# Altium PCB PCB3.PcbDoc (part 6 of 8) (continued)
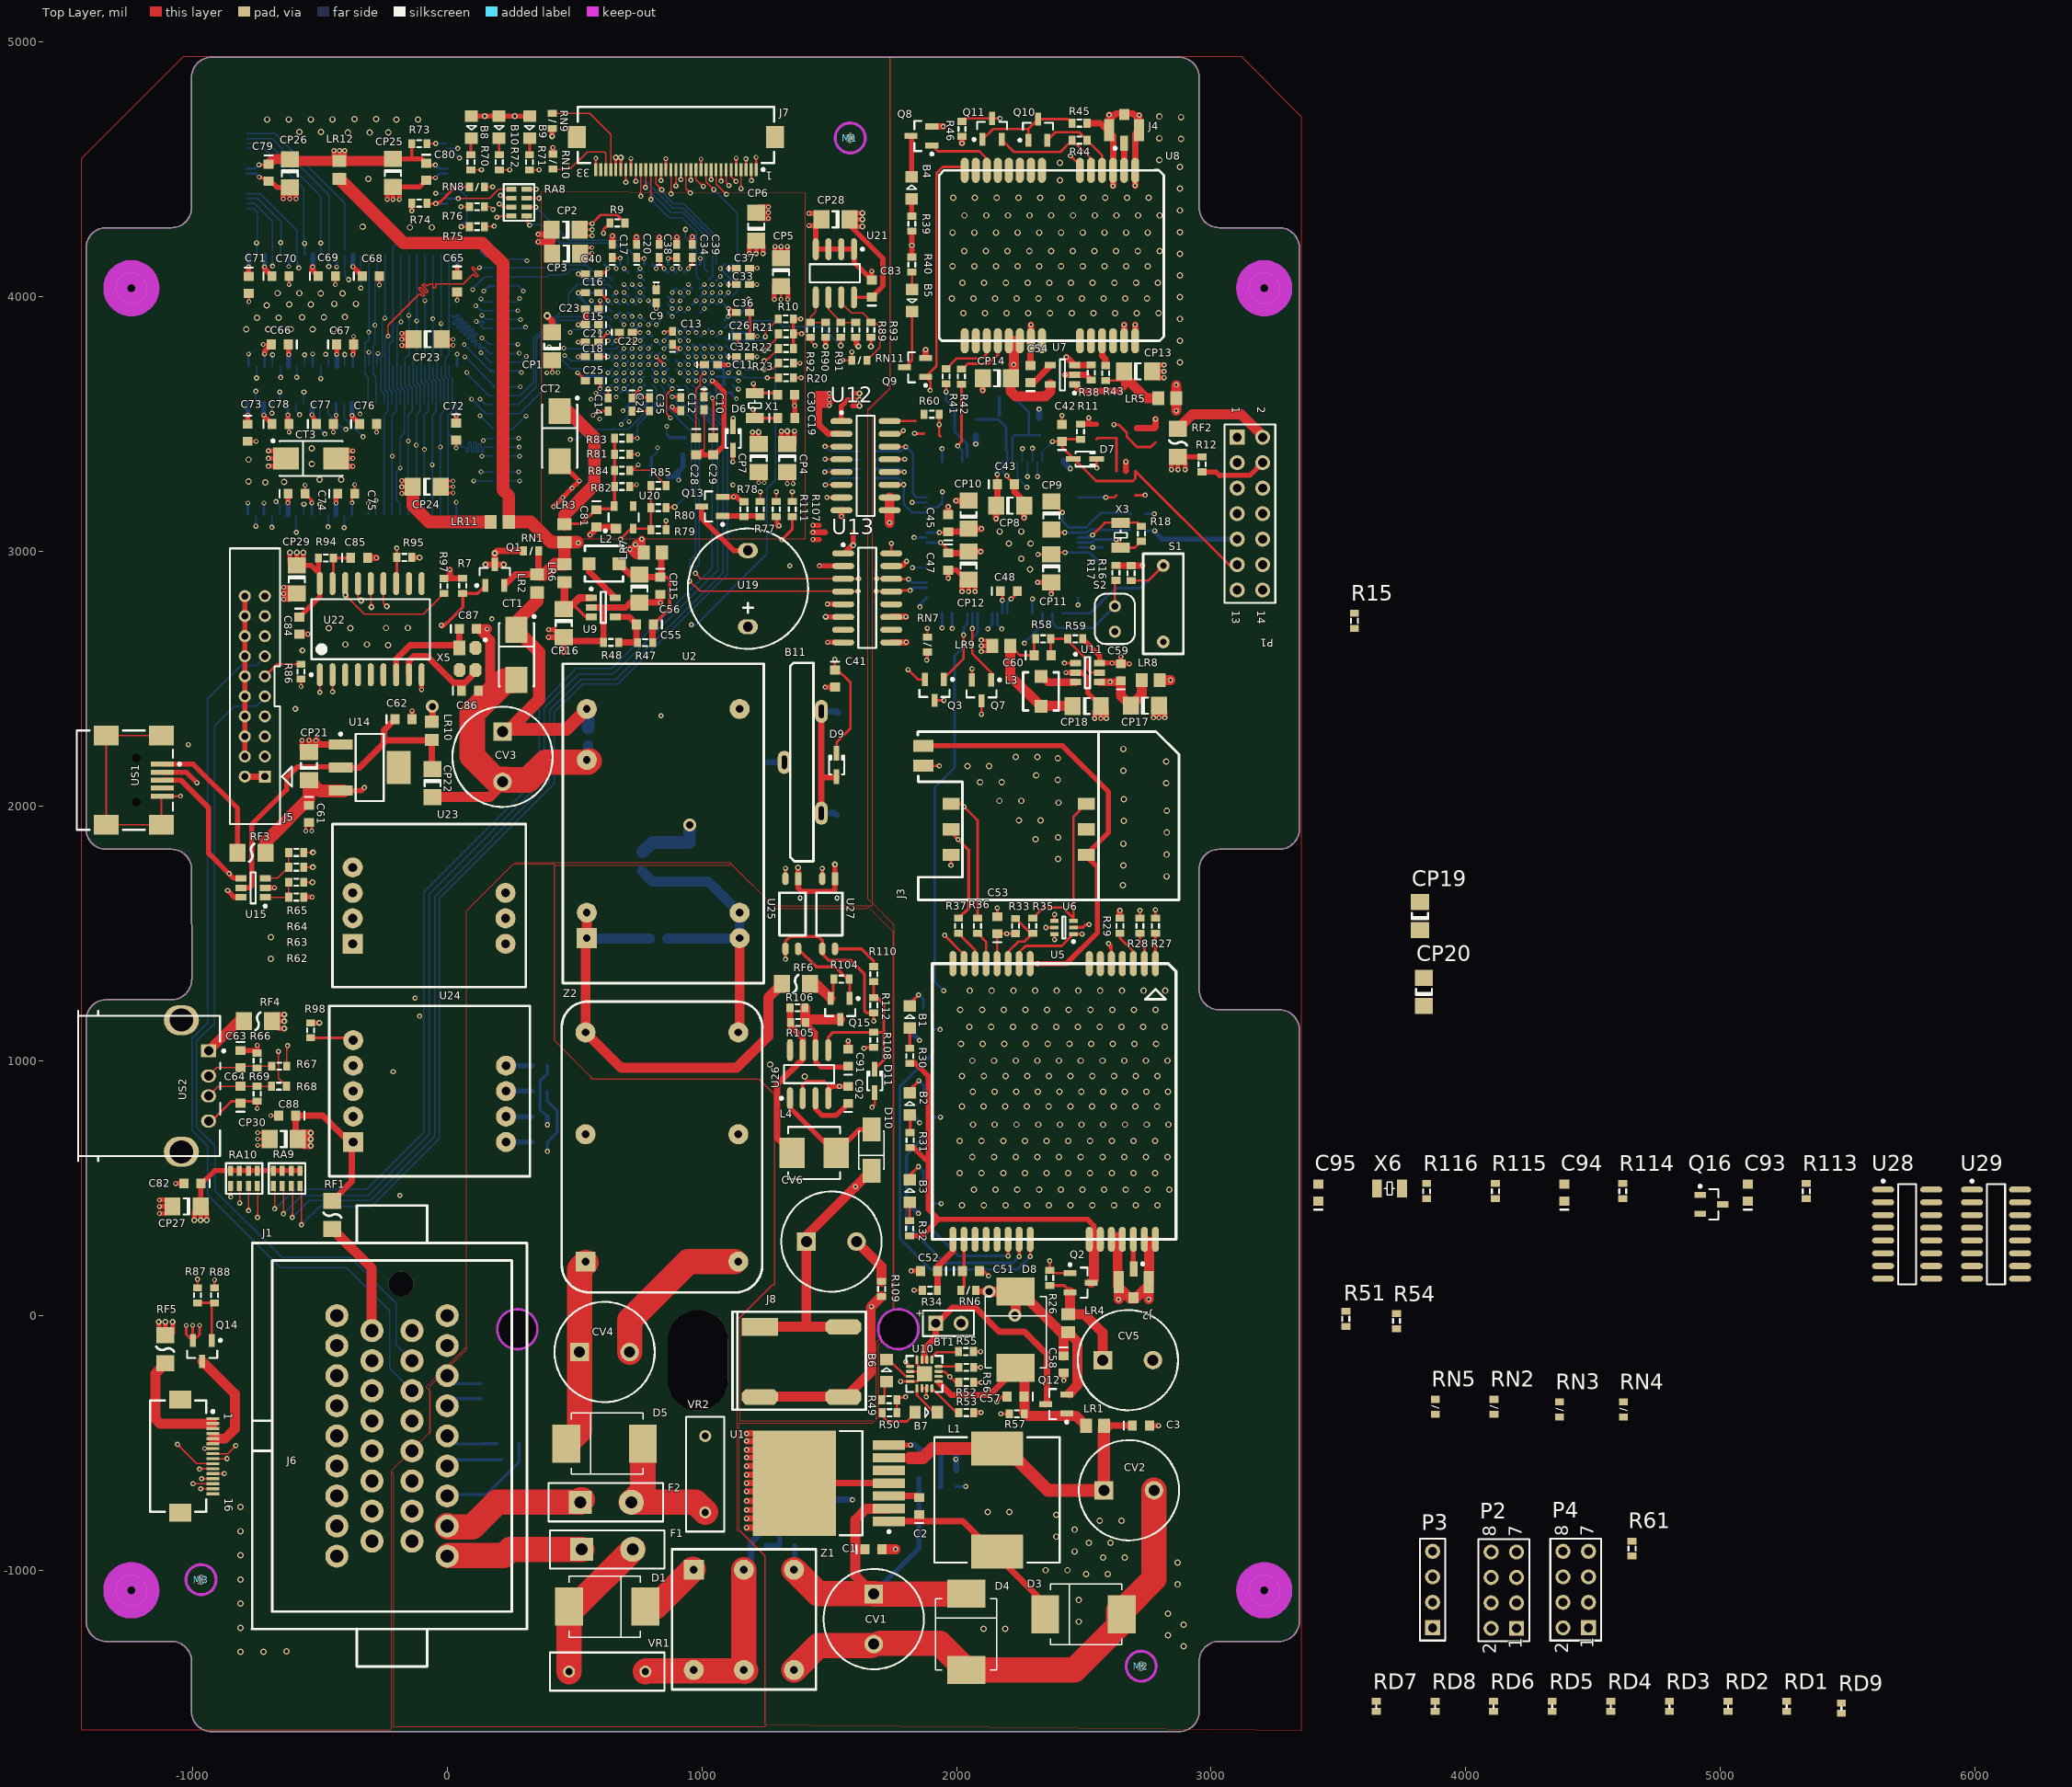
[diagram p0: Top Layer view]
## Nets (pads, with @x,y where several pads share a name; then routed paths per layer and width w, separated by ;. In a path a pad name is that pad's centre, name@x,y a point inside that pad or via, vN(x,y) a via of type N, cw(c..) or ccw(c..) an arc to the next point about the centre after c; other vN are vias at no path point) (continued)
NetC55_2: C55.2 R47.2 R48.2 U9.4 | length 235.7
  Top Layer w25: U9.4@660.41,2743.54 713.56,2743.54 C55.2@743.09,2714.02 743.09,2643.15 R48.2@673.2,2643.15
NetC59_1: C59.1 CP17.1 LR8.1 U11.1 U11.4 | length 627.3
  Top Layer w10: v2(2424.21,2562.01) U11.1@2467.52,2562.01 ; v2@2427.75,2558.47 cw(c2436.28,2549.94) 2436.28,2562.01 cw(c2436.28,2574.08) v2@2427.75,2565.54
  Top Layer w29.53: U11.4@2562.01,2487.2 2640.75,2487.2 C59.1@2645.67,2492.13
  Top Layer w39.37: C59.1@2645.67,2492.13 2645.67,2434.06 CP17.1@2685.04,2394.69 2727.36,2437.01 LR8.1@2727.36,2495.08
  ADDR w10: v2(2424.21,2562.01) 2529.53,2562.01 v2(2603.35,2488.19) ; v2@2427.75,2558.47 cw(c2436.28,2549.94) 2436.28,2562.01 cw(c2436.28,2574.08) v2@2427.75,2565.54 ; v2@2598.35,2488.19 ccw(c2586.28,2488.19) 2594.81,2496.72 ccw(c2603.35,2505.26) v2@2603.35,2493.19
NetC60_1: C60.1 CP18.1 L3.1 LR9.1 R58.1 | length 590.1
  Top Layer w10: LR9.1@2211.61,2629.92 2249.02,2592.52 C60.1@2305.12,2592.52 2305.12,2651.58 R58.1@2311.02,2657.48
  Top Layer w39.37: LR9.1@2211.61,2629.92 2211.61,2511.81 L3.1@2331.69,2391.73 2333.66,2393.7 CP18.1@2456.69,2393.7
NetC60_2: C60.2 R58.2 R59.1 U11.5 | length 337.5
  Top Layer w10: C60.2@2372.05,2592.52 2370.08,2594.49 R58.2@2370.08,2657.48 R59.1@2437.01,2657.48 2437.01,2650.59 2514.76,2572.83 2514.76,2537.4 2527.56,2524.61 U11.5@2562.01,2524.61
NetC85_1: C85.1 R94.1 U22.17 | length 164
  Top Layer w12: U22.17@-446.88,2877.8 R94.1@-446.88,2974.84 C85.1@-379.95,2974.84
NetC86_1: C86.1 U22.8 X5.3 | length 392.8
  Top Layer w25: U22.8@-150.22,2516.18 -150.22,2569.73 -131.36,2588.58 -78.33,2588.58 26.06,2484.19 70.35,2484.19 111.2,2525.04 X5.3@111.2,2534.88
NetC87_1: C87.1 U22.7 X5.1 | length 413
  Top Layer w25: U22.7@-200.22,2516.18 -200.22,2578.78 -146,2633 36.7,2633 X5.1@48.2,2621.5 C87.1@48.2,2696.3
NetC91_1: C91.1 Q15.3 R105.1 R106.1 U26.6 | length 495.3
  Top Layer w20: R105.1@1407.48,1150.59 1446.26,1111.81 U26.6@1446.26,1042.32 1446.26,997.64 1467.52,976.38 1566.93,976.38 C91.1@1576.77,986.22
  Top Layer w39.37: R106.1@1405.51,1208.66 1405.51,1152.56 R105.1@1407.48,1150.59 ; R105.1@1419.29,1162.4 Q15.3@1543.31,1162.4
NetC92_1: C92.1 U26.3 | length 200.7
  Top Layer w20: U26.3@1446.26,853.35 1446.26,811.61 1472.44,785.43 1527.56,785.43 C92.1@1574.8,832.68
NetC93_1: C93.1 Q16.2 R114.1
NetC94_1: C94.1 R115.2 X6.2
NetCP16_1: CP16.1 LR6.1 U9.1 U9.3 | length 321.2
  Top Layer w12: 494.07,2792.76 543.28,2743.54 U9.3@565.92,2743.54
  Top Layer w29.53: CP16.1@457.65,2774.06 475.37,2774.06 494.07,2792.76 519.66,2818.35 U9.1@565.92,2818.35 ; CP16.1@460.6,2777.01 LR6.1@460.6,2879.37
NetCV4_1: CV4.1 D5.2 Z2.1 | length 743.5
  Top Layer w100: D5.2@468.46,-503.15 519.69,-451.93 CV4.1@519.69,-141.73 ; CV4.1@520.04,-143.15 520.04,183.42 Z2.1@544.29,207.68
NetCV5_1: CV5.1 LR4.2 Q2.2 R26.1 | length 450.5
  Top Layer w12: R26.1@2366.14,118.11 2423.23,118.11 Q2.2@2444.88,96.46
  Top Layer w39.37: Q2.2@2445.86,91.54 2445.86,11.81 LR4.2@2438.98,4.92 2501.97,4.92 2574.8,-67.91 CV5.1@2574.8,-175.2
NetCV6_1: CV6.1 D10.2 J8.1 R108.2 | length 1654.7
  Top Layer w12: v2@1639.64,1046.38 cw(c1655.97,1030.05) 1655.97,1053.15 ; v2@1639.76,1048.23 1644.68,1053.15 R108.2@1675.2,1053.15
  Top Layer w39.37: J8.1@1227.91,-44.29 J8.1@1555.55,-44.29 ; 1410.43,-39.37 CV6.1@1410.43,290.35 1410.43,312.99 v2(1603.35,505.91) D10.2@1666.34,568.9
  ADDR w12: v2(1603.35,505.91) 1603.35,1015.75 v2(1636.81,1049.21)
NetD1_1: D1.1 F1.2 VR1.1 | length 612.6
  Top Layer w100: VR1.1@478.46,-1398.15 478.46,-1153.43 D1.1@502.95,-1128.94 ; D1.1@491.14,-1149.61 497.01,-1149.61 F1.2@728.46,-918.15
NetD1_2: D1.2 Z1.1 | length 248
  Top Layer w100: D1.2@778.46,-1143.15 818.46,-1143.15 Z1.1@965.55,-996.06
NetD5_1: D5.1 F2.2 VR2.1 | length 551.3
  Top Layer w100: D5.1@768.7,-506.89 768.7,-687.91 F2.2@723.46,-733.15 975.28,-733.15 VR2.1@1013.78,-771.65
NetD10_1: D10.1 L4.2 U26.1 | length 464.3
  Top Layer w20: U26.1@1346.26,853.35 1346.26,815.16 L4.2@1522.64,638.78 ; L4.2@1527.56,638.78 1619.09,730.32 D10.1@1666.34,730.32
NetD11_1: D11.1 J8.2 R109.2 | length 1679.8
  Top Layer w10: v2@1664.37,814.96 1679.13,829.72 D11.1@1679.13,875 ; v2@1668.31,822.91 ccw(c1668.31,832.61) 1675.16,825.75 ; v2@1673.31,817.91 cw(c1687.75,817.91) 1677.54,828.13
  Top Layer w39.37: J8.2@1239.73,-317.91 1567.36,-317.91 1663.3,-221.98 1663.3,32.4 v2(1666.34,35.43) R109.2@1705.71,74.8
  ADDR w10: v2@1662.8,38.97 ccw(c1654.27,47.5) 1666.34,47.5 ccw(c1678.41,47.5) v2@1669.87,38.97 ; v2(1666.34,35.43) 1666.34,815.95 v2(1668.31,817.91) ; 1666.34,801.09 cw(c1685.13,801.09) v2@1671.84,814.38
NetD11_2: D11.2 R108.1 R110.1 R112.1 U26.5 | length 660.3
  Top Layer w12: U26.5@1496.26,1042.32 1496.26,1092.72 1515.75,1112.21 R108.1@1675.2,1112.21 1713.58,1112.21 1714.57,1113.19 ; R110.1@1675.2,1311.02 R112.1@1675.2,1248.03 1689.96,1248.03 1714.57,1223.43 1714.57,1113.19 ; D11.2@1679.13,967.52 1714.57,1002.95 1714.57,1113.19
NetJ1_17: J1.17 RF1.2 | length 477.2
  Top Layer w39.37: RF1.2@-450.79,339.57 -296.26,185.04 -296.26,-70.87 J1.17@-294.29,-72.83
NetJ3_2: J3.2 R37.2 U6.5 | length 972.8
  Top Layer w10: v2(2351.38,1523.62) U6.5@2384.84,1523.62 ; v2@2354.91,1520.09 cw(c2363.45,1511.55) 2363.45,1523.62 cw(c2363.45,1535.69) v2@2354.91,1527.16
  Top Layer w12: J3.2@1978.35,1909.06 1978.35,1896.65 v2(2005.91,1869.09) 2047.24,1827.76 2047.24,1599.41 R37.2@2007.87,1560.04
  ADDR w10: v2@2005.91,1864.09 cw(c2005.91,1852.02) 2014.44,1860.56 cw(c2022.98,1869.09) v2@2010.91,1869.09 ; v2(2005.91,1869.09) v2(2351.38,1523.62) ; v2@2346.38,1523.62 ccw(c2334.31,1523.62) 2342.84,1532.16 ccw(c2351.38,1540.69) v2@2351.38,1528.62
NetJ3_3: J3.3@1978.35,2009.06 R36.2 U6.4 | length 1149.7
  Top Layer w10: J3.3@1978.35,2009.06 2018.5,2009.06 v2(2029.53,1998.03) 2082.68,1944.88 R36.2@2082.68,1560.04 ; v2@2024.53,1998.03 ccw(c2012.46,1998.03) 2020.99,2006.57 ccw(c2029.53,2015.1) v2@2029.53,2003.03 ; v2@2029.53,1993.03 cw(c2029.53,1980.96) 2038.06,1989.5 cw(c2046.6,1998.03) v2@2034.53,1998.03
  Top Layer w12: U6.4@2384.84,1549.21 v2(2384.84,1574.8)
  ADDR w12: v2(2029.53,1998.03) 2384.84,1642.72 v2(2384.84,1574.8)
NetJ3_7: J3.7 R35.2 U6.3 | length 676.1
  Top Layer w10: R35.2@2299.21,1560.04 2341.54,1602.36 2417.32,1602.36 2459.65,1560.04 ; U6.3@2459.65,1549.21 2459.65,1560.04 ; J3.7@2509.84,2009.06 2459.65,1958.86 2459.65,1560.04
NetJ4_1: J4.1 U8.16 | length 102.8
  Top Layer w25: J4.1@2658.46,4603.35 2658.46,4501.97 U8.16@2659.45,4500.98
NetJ5_11: J5.11 R86.1 | length 163.5
  Top Layer w10: J5.11@-715.88,2510.2 -668.99,2557.09 R86.1@-571.85,2557.09
NetJ6_1: J6.1 J6.2 J6.3 RF5.1 | length 468.4
  Top Layer w39.37: RF5.1@-1105.31,-187.01 -1145.67,-227.36 -1145.67,-405.51 -1126.97,-424.21 J6.2@-920.28,-424.21
NetJ6_4: J6.4 J6.5 J6.6 Q14.3 | length 420.3
  Top Layer w39.37: Q14.3@-961.61,-180.12 -833.66,-308.07 -833.66,-444.88 -872.05,-483.27 J6.5@-920.28,-483.27
NetL2_1: L2.1 U9.5 | length 176.7
  Top Layer w25: L2.1@557.06,2952.21 557.06,2921.69 U9.5@660.41,2818.35
NetL3_2: L3.2 U11.3 | length 149.6
  Top Layer w29.53: L3.2@2329.72,2515.75 2358.27,2487.2 U11.3@2467.52,2487.2
NetL4_1: L4.1 R105.2 R106.2 U26.7 | length 656
  Top Layer w25: R106.2@1346.46,1208.66 1346.46,1138.78 1396.26,1088.98 U26.7@1396.26,1042.32 1396.26,1007.48 1296.26,907.48 1296.26,696.85 L4.1@1354.33,638.78
NETLIGHT: Q6.1 U4.50 U5.21 | length 2977.2
  Top Layer w12: v2(2202.76,234.25) U5.21@2202.76,299.21
  ADDR w12: v2(1939.96,439.96) 1813.98,565.94 1813.98,2457.68 1945.87,2589.57 v2@1945.87,2699.8 ; v2@1941.07,2696.97 cw(c1929.49,2685.39) 1945.87,2685.39
  Bottom Layer w12: v2(1939.96,439.96) Q6.1@1907.48,439.96 1907.48,334.65 2007.87,234.25 v2(2202.76,234.25) ; v2(1943.9,2699.8) U4.50@1943.9,2757.87
NetP1_2: P1.2 P2.1 RF2.1 | length 391
  Top Layer w39.37: RF2.1@2870.08,3482.28 2926.18,3538.39 3118.11,3538.39 P1.2@3202.76,3453.74
NetQ10_1: Q10.1 Q10.3 Q11.1 R45.2 | length 436.2
  Top Layer w10: Q11.1@2102.36,4618.11 2143.7,4659.45 2281.5,4659.45 2282.48,4660.43 ; Q10.1@2282.48,4615.16 2282.48,4660.43 ; R45.2@2453.74,4682.09 2437.99,4697.83 Q10.3@2319.88,4697.83 2282.48,4660.43
NetQ13_1: Q13.1 R77.2 R78.1 | length 148.7
  Top Layer w20: Q13.1@1081.67,3139.77 1226.78,3139.77 R77.2@1229.31,3137.24
NetQ13_3: Q13.3 U19.2 | length 281.5
  Top Layer w20: Q13.3@998.99,3177.17 998.99,3129.95 1125,3003.94 U19.2@1181.1,3003.94
NetQ14_1: Q14.1 R87.1 R88.1 | length 207.2
  Top Layer w10: R87.1@-980.7,49.88 -915.04,49.88 R88.1@-912.4,47.24 ; Q14.1@-924.21,-97.44 R88.1@-924.21,40.35
NetQ15_1: Q15.1 R104.2 U25.4 | length 322.9
  Top Layer w12: U25.4@1378.35,1439.96 1449.21,1369.09 1524.61,1369.09 1580.71,1312.99 Q15.1@1580.71,1245.08
NetQ15_2: Q15.2 R104.1 RF6.2 | length 183.2
  Top Layer w12: Q15.2@1505.91,1245.08 1515.75,1254.92 R104.1@1515.75,1318.9
  Top Layer w39.37: RF6.2@1424.21,1302.17 1448.82,1302.17 Q15.2@1505.91,1245.08
NetR3_1: R3.1 R4.1 R6.2 | length 161.4
  Bottom Layer w12: R6.2@1252.95,-903.54 R3.1@1305.12,-903.54 ; R3.1@1305.12,-905.51 R3.1@1305.12,-903.54 ; R3.1@1305.12,-901.57 R3.1@1305.12,-903.54
  Bottom Layer w20: R6.2@1252.95,-901.57 1305.12,-901.57 R4.1@1305.12,-848.43
NetR29_2: R29.2 U5.3 | length 141.1
  Top Layer w10: R29.2@2641.73,1500.98 2641.73,1482.28 2694.88,1429.13 U5.3@2694.88,1381.89
NetR43_1: R43.1 U8.11 | length 103.2
  Top Layer w25: U8.11@2571.81,3827.76 2571.81,3768.74 2585.63,3754.92 R43.1@2585.63,3730.32
NetR49_1: R49.1 R50.1 U10.5 U10.10 U10.11 | length 538
  Top Layer w10: R50.1@1765.75,-380.91 R49.1@1765.75,-330.71 1774.61,-321.85 v2@1800.2,-321.85 ; 1783.37,-321.85 ccw(c1783.37,-303.06) v2@1796.66,-316.35 ; v2@1800.2,-187.09 cw(c1800.2,-199.16) 1808.73,-190.62 cw(c1817.27,-182.09) v2@1805.2,-182.09 ; v2(1800.2,-182.09) U10.5@1817.91,-199.8 ; U10.10@1864.17,-285.43 1880.91,-285.43 v2(1880.91,-318.9) ; v2@1877.37,-315.36 ccw(c1868.83,-306.83) 1880.91,-306.83 ccw(c1892.98,-306.83) v2@1884.44,-315.36
  ADDR w10: v2@1796.66,-185.62 cw(c1788.13,-194.16) 1800.2,-194.16 cw(c1812.27,-194.16) v2@1803.73,-185.62 ; v2(1800.2,-319.88) 1801.18,-318.9 v2(1880.91,-318.9) ; v2(1800.2,-182.09) 1800.2,-238.19 v2(1880.91,-318.9) ; v2@1803.73,-323.42 cw(c1814.64,-334.33) 1814.64,-318.9 ; v2@1875.91,-318.9 ccw(c1863.83,-318.9) 1872.37,-310.36 ccw(c1880.91,-301.83) v2@1880.91,-313.9 ; v2@1877.37,-322.43 ccw(c1868.83,-330.97) 1868.83,-318.9 ccw(c1868.83,-306.83) v2@1877.37,-315.36 ; v2@1881.89,-319.88 v2(1880.91,-318.9)
NetR52_1: R52.1 RN7.1 U10.15 | length 3175.2
  Top Layer w10: v2@1879.34,2577.35 ccw(c1863.67,2593.02) RN7.1@1885.83,2593.02 ; v2@1883.86,2570.87 1885.83,2572.83 RN7.1@1885.83,2605.31 ; U10.15@1930.12,-219.49 1952.76,-219.49 v2(1973.43,-240.16) 1996.06,-262.8 R52.1@2008.86,-262.8 ; v2@1968.43,-240.16 ccw(c1956.35,-240.16) 1964.89,-231.62 ccw(c1973.43,-223.09) v2@1973.43,-235.16 ; v2@1973.43,-245.16 cw(c1973.43,-257.23) 1981.96,-248.69 cw(c1990.5,-240.16) v2@1978.43,-240.16 ; R52.1@2008.86,-264.76 R52.1@2012.8,-264.76
  ADDR w10: v2@1877.87,2573.82 cw(c1865.8,2573.82) 1874.34,2565.28 cw(c1882.87,2556.75) v2@1882.87,2568.82 ; v2(1882.87,2573.82) 1768.7,2459.65 1768.7,309.06 1973.43,104.33 v2(1973.43,-240.16) ; v2@1969.89,-236.62 ccw(c1961.35,-228.09) 1973.43,-228.09 ccw(c1985.5,-228.09) v2@1976.96,-236.62
NetR53_1: R53.1 U10.12@1903.54,-285.43 | length 145.3
  Top Layer w10: U10.12@1903.54,-285.43 2004.92,-386.81 R53.1@2006.89,-386.81
NetR55_1: R55.1 U10.1 | length 126.3
  Top Layer w10: U10.1@1903.54,-173.23 1903.54,-163.39 1923.23,-143.7 R55.1@2011.81,-143.7
NetR56_1: R56.1 U10.16 | length 79.7
  Top Layer w10: U10.16@1930.12,-199.8 R56.1@2009.84,-199.8
NetR62_1: R62.1 R63.2 U15.1 | length 151
  Top Layer w5: U15.1@-714.59,1642.17 -623.06,1642.17 R62.1@-622.07,1643.15 R63.2@-622.07,1701.22
NetR64_2: R64.2 R65.1 U15.3 | length 168.5
  Top Layer w5: U15.3@-714.59,1716.97 -665.38,1716.97 R64.2@-622.07,1760.28 R65.1@-622.07,1818.35
NetR74_2: R74.2 RN8.1 U18.19 | length 379.6
  Top Layer w10: -59.51,4367.13 cw(c-59.51,4351.9) -48.75,4362.67 ccw(c-57.29,4354.13) -57.29,4366.2 ccw(c-57.29,4378.27) v2@-48.75,4369.74 ; v2@-45.21,4361.2 ccw(c-45.21,4377.65) -33.59,4366.02 ; v2(-45.21,4366.2) -78.8,4366.2 -79.72,4367.13 -32.48,4367.13 ; v2@-45.21,4371.2 ccw(c-45.21,4411.79) -16.52,4383.09 ; v2@-41.39,4362.98 cw(c-32.48,4355.48) -32.48,4367.13 ; RN8.1@87.6,4432.09 32.48,4432.09 -32.48,4367.13
  Bottom Layer w10: v2(-45.21,4366.2) U18.19@0.46,4366.2 ; v2@-41.68,4362.67 cw(c-33.14,4354.13) -33.14,4366.2 cw(c-33.14,4378.27) v2@-41.68,4369.74
NetR89_2: R89.2 R91.1 U21.6 | length 179.7
  Top Layer w5: U21.6@1497.39,3998.24 1497.39,3951.97 R91.1@1546.04,3903.32 ; R91.1@1545.52,3899.82 R89.2@1604.82,3899.82 1609.58,3899.82 R89.2@1610.02,3899.39
NetR90_2: R90.2 R92.1 U21.5 | length 166.6
  Top Layer w5: R92.1@1425.96,3899.39 1425.96,3920.05 1447.39,3941.49 U21.5@1447.39,3998.24 ; R92.1@1427.38,3899.82 R90.2@1486.22,3899.82
NetR93_2: R93.2 RN11.1 U21.7 | length 362.3
  Top Layer w5: U21.7@1547.39,3998.24 1547.39,3976.77 1587.38,3936.79 1631.67,3936.79 R93.2@1666.38,3902.08 ; RN11.1@1648.4,3750.76 1699,3801.36 1699,3881.27 1680.88,3899.39 R93.2@1667.1,3899.39
NetR99_2: R99.2 U24.7 | length 106.6
  Bottom Layer w20: U24.7@231.3,973.43 239.17,981.3 R99.2@334.65,981.3
NetR100_2: R100.2 U24.8 | length 98.7
  Bottom Layer w20: U24.8@236.22,881.89 236.88,881.23 R100.2@334.65,881.23
NetR102_2: R102.2 U24.9 | length 108.5
  Bottom Layer w20: U24.9@226.38,780.51 227.03,781.17 R102.2@334.65,781.17
NetR107_2: R107.2 U25.2 | length 1483.4
  Top Layer w12: v2(1314.96,3046.26) 1355.29,3086.59 R107.2@1355.29,3137.24 ; U25.2@1328.35,1715.55 v2(1328.35,1756.5)
  ADDR w12: v2(1314.96,3046.26) 1375.98,2985.24 1375.98,2060.04 1328.35,2012.4 v2(1328.35,1756.5)
NetR110_2: R110.2 U27.4 | length 193.8
  Top Layer w12: U27.4@1523.03,1439.96 1626.97,1439.96 1675.2,1391.73 R110.2@1675.2,1370.08
NetR111_2: R111.2 U27.2 | length 1547.2
  Top Layer w12: 1292.3,3108.26 ccw(c1310.04,3108.26) v2@1297.49,3095.72 ; v2(1303.15,3101.38) 1292.3,3112.23 R111.2@1292.3,3137.24 ccw(c1339.01,3137.23) v2@1305.98,3104.21 ; U27.2@1473.03,1715.55 v2(1473.03,1755.32)
  ADDR w12: v2(1303.15,3101.38) 1406.5,2998.03 1406.5,1821.85 v2(1473.03,1755.32)
NetRF3_1: RF3.1 US1.1 | length 541.2
  Top Layer w20: US1.1@-1118.11,2165.35 -997.05,2165.35 -822.86,1991.17 RF3.1@-822.86,1817.36
NetRF4_1: RF4.1 US2.1 | length 186.9
  Top Layer w39.37: US2.1@-937.01,1039.37 -820.87,1155.51 RF4.1@-798.23,1155.51
NetU12_7: U12.7 U13.5 | length 594.2
  Top Layer w10: v2(1491.14,3212.6) U12.7@1548.23,3212.6 ; v2@1494.68,3209.06 cw(c1503.21,3200.53) 1503.21,3212.6 cw(c1503.21,3224.67) v2@1494.68,3216.13
  Top Layer w20: v2(1492.72,2793.9) U13.5@1555.12,2793.9
  ADDR w10: v2@1487.61,3209.06 cw(c1479.07,3200.53) 1491.14,3200.53 cw(c1503.21,3200.53) v2@1494.68,3209.06 ; 1491.14,2809.77 ccw(c1508.59,2809.77) v2@1496.25,2797.43 ; v2(1491.14,3212.6) 1491.14,2792.32 v2@1493.11,2790.35
NetU28_3: U28.3 U29.11
NRESET: R80.2 U3.H16 | length 690.8
  Top Layer w5: R80.2@859.23,3172.19 884.33,3172.19 v4@892.69,3180.55 ; R80.2@863.95,3172.19 ccw(c863.95,3204.94) v4@887.12,3181.78 ; 876.02,3172.19 ccw(c876.02,3192.87) v4@890.65,3178.25 ; 878.49,3172.19 cw(c878.49,3159.99) v4@887.12,3168.61
  Bottom Layer w5: U3.H16@836.59,3654.96 852.34,3639.21 852.34,3577.21 959.62,3469.92 959.62,3240.13 898.62,3179.13 v4@893.7,3179.13 ; v4@893.7,3179.51 ccw(c893.7,3192.29) 902.74,3183.25 ; v4@893.7,3184.51 ccw(c893.7,3209.36) 911.28,3191.79 ; v4@903.01,3175.2 cw(c923.11,3175.2) 908.9,3189.41
  other v4: 893.7,3175.2
NSS0/EINT10/GPG2: R97.1 U3.J10 U22.16 | length 2607.4
  Top Layer w5: v4@-399.63,2819.86 cw(c-399.63,2797.38) -383.74,2813.28 cw(c-367.84,2829.17) v4@-390.32,2829.17 ; v4(-399.63,2829.17) -324.83,2754.37 -93.53,2754.37 R97.1@-12.82,2835.08
  DATA w5: v4(-399.63,2829.17) -399.63,2830.16 375.96,2830.16 901.55,3355.75 901.55,3677.6 868.33,3710.82 868.33,3812.19 v1(852.34,3828.19) ; v4@-396.58,2826.13 cw(c-386.85,2816.39) -386.85,2830.16 ; v4@-393.05,2822.59 cw(c-374.78,2804.32) -374.78,2830.16 ; v4@-393.05,2835.76 ccw(c-379.53,2849.28) -379.53,2830.16 ; v1@852.34,3821.69 cw(c852.34,3806) 863.43,3817.09 cw(c874.53,3828.19) v1@858.84,3828.19
  Bottom Layer w10: v1(852.34,3828.19) U3.J10@868.08,3843.94 ; v1@852.34,3832.19 ccw(c852.34,3841.85) 859.17,3835.02 ccw(c865.99,3828.19) v1@856.34,3828.19
NSS1/EINT11/GPG3: RA1.5 U3.R10 U12.6 | length 1333.7
  Top Layer w5: v2@1484.25,3261.81 1485.04,3262.6 U12.6@1548.23,3262.6 ; v2@1490.54,3256.51 cw(c1505.24,3241.8) 1505.24,3262.6 ; v2@1490.54,3267.11 ccw(c1501.44,3278.02) 1501.44,3262.6
  ADDR w5: v1(1072.81,3859.69) 1073.55,3860.42 1338.4,3860.42 1474.38,3724.43 1474.38,3521.65 1540.35,3455.68 1540.35,3316.93 v2(1485.24,3261.81) ; v1@1077.41,3855.09 cw(c1090.28,3842.22) 1090.28,3860.42 ; v1@1077.41,3864.28 ccw(c1086.73,3873.6) 1086.73,3860.42 ; v2@1485.24,3269.31 ccw(c1485.24,3287.42) 1498.04,3274.61 ccw(c1510.84,3261.81) v2@1492.74,3261.81
  Bottom Layer w5: v2@1485.24,3260.83 1513.44,3289.04 RA1.5@1624.53,3289.04 ; v2@1485.24,3269.31 ccw(c1485.24,3289.79) 1499.72,3275.31 ; v2@1492.74,3261.81 cw(c1508.47,3261.81) 1497.34,3272.93
  Bottom Layer w10: U3.R10@1057.06,3843.94 v1(1072.81,3859.69) ; v1@1068.81,3859.69 cw(c1059.15,3859.69) 1065.98,3852.86 cw(c1072.81,3846.03) v1@1072.81,3855.69
NTRST: J1.22 J5.3 R84.2 R85.1 U3.H15 | length 5780.2
  Top Layer w5: R84.2@716.51,3318.68 R84.2@727.67,3318.68 ; v1@743.47,3340.99 cw(c727.78,3340.99) 738.88,3329.89 cw(c749.97,3318.79) v1@749.97,3334.49 ; v1(749.97,3340.99) R84.2@727.67,3318.68 ; R85.1@859.23,3259.29 799.84,3318.68 R84.2@727.67,3318.68
  DATA w5: J1.22@-137.8,-413.39 -215.55,-335.63 -215.55,42.74 -598.43,425.62 -598.43,749.43 -687,838 -687,1081 -757.58,1151.58 -757.58,2153.54 J5.3@-715.88,2195.24 -624.04,2287.08 -624.04,2714.02 -452.78,2885.28 294.27,2885.28 v1(749.97,3340.99) 776.55,3367.56 776.55,3479.76 852.34,3555.55 v1(852.34,3670.71) ; v1@743.47,3340.99 cw(c727.78,3340.99) 738.88,3329.89 cw(c749.97,3318.79) v1@749.97,3334.49 ; v1@749.97,3347.49 ccw(c749.97,3363.18) 761.07,3352.08 ccw(c772.17,3340.99) v1@756.47,3340.99 ; v1@847.74,3666.11 cw(c836.64,3655.02) 852.34,3655.02 cw(c868.03,3655.02) v1@856.93,3666.11
  Bottom Layer w10: U3.H15@836.59,3686.46 v1(852.34,3670.71) ; v1@848.34,3670.71 ccw(c838.68,3670.71) 845.51,3677.54 ccw(c852.34,3684.37) v1@852.34,3674.71
NWAIT: R9.2 U3.E4 | length 407.8
  Top Layer w10: v2@610.64,4253.54 ccw(c602.1,4262.07) 614.17,4262.07 ccw(c626.24,4262.07) v2@617.71,4253.54 ; v2(614.17,4250) 614.17,4265.75 R9.2@638.78,4290.35
  ADDR w5: v2@614.17,4242.5 cw(c614.17,4224.39) 626.98,4237.2 cw(c639.78,4250) v2@621.67,4250 ; v2(614.17,4250) 726.35,4137.82 v1(726.35,4048.66) ; v1@721.76,4053.26 ccw(c710.66,4064.36) 726.35,4064.36 ccw(c742.05,4064.36) v1@730.95,4053.26
  Bottom Layer w10: v1@726.35,4044.66 cw(c726.35,4035.01) 733.18,4041.84 cw(c740.01,4048.66) v1@730.35,4048.66 ; v1(726.35,4048.66) U3.E4@742.1,4032.92
P1_3: U4.20
P1_4: U4.21
P1_5: U4.22
P1_6: U4.23
P1_7: U4.24
P2_0: R15.1 U4.25 U29.6
P2_1: R16.2 S1.1 U4.26 U29.13 | length 623.9
  Top Layer w10: R16.2@2686.02,2885.83 2752.56,2885.83 S1.1@2812.01,2945.28
  Bottom Layer w10: U4.26@2416.34,2757.87 2524.61,2757.87 2623.03,2856.3 2723.03,2856.3 S1.1@2812.01,2945.28
P2_2: U4.27 U29.15
P2_3: R17.2 S2.1 U4.28 U29.1 | length 430.7
  Top Layer w10: S2.1@2622.05,2785.43 2622.05,2882.87 R17.2@2625.98,2886.81
  Bottom Layer w10: U4.28@2376.97,2757.87 2376.97,2718.5 2395.67,2699.8 2536.42,2699.8 S2.1@2622.05,2785.43
P2_4: U4.29 U29.2
P2_5: C93.2 U29.3
P2_6: U4.31
P3_0: U4.33
P3_1: U4.34
P3_2: U4.35
P3_3: U4.36
P3_4: R28.2 U4.39 | length 1593.1
  Top Layer w10: v2@2716.94,1587.02 cw(c2708.4,1578.48) 2720.47,1578.48 cw(c2732.54,1578.48) v2@2724.01,1587.02 ; R28.2@2720.47,1560.04 v2(2720.47,1590.55)
  DATA w10: v2@2178.15,2694.88 2179.13,2695.87 2326.77,2695.87 2720.47,2302.17 v2(2720.47,1590.55) ; v2@2181.69,2692.33 cw(c2190.22,2683.8) 2190.22,2695.87 cw(c2190.22,2707.94) v2@2181.69,2699.4 ; v2@2716.94,1594.09 ccw(c2708.4,1602.62) 2720.47,1602.62 ccw(c2732.54,1602.62) v2@2724.01,1594.09
  Bottom Layer w10: U4.39@2160.43,2757.87 2160.43,2713.58 v2(2178.15,2695.87) ; v2@2173.15,2695.87 ccw(c2161.08,2695.87) 2169.61,2704.4 ccw(c2178.15,2712.94) v2@2178.15,2700.87
P3_5: R27.2 U4.40 | length 1707.8
  Top Layer w10: v2@2777.96,1589.97 cw(c2769.43,1581.43) 2781.5,1581.43 cw(c2793.57,1581.43) v2@2785.03,1589.97 ; R27.2@2781.5,1560.04 v2(2781.5,1593.5)
  DATA w10: v2@2123.03,2701.85 ccw(c2123.03,2716.3) 2133.25,2706.08 ; v2@2124.02,2696.85 2142.72,2715.55 2342.52,2715.55 2781.5,2276.57 v2(2781.5,1593.5) ; v2@2128.03,2696.85 cw(c2137.73,2696.85) 2130.87,2703.71 ; v2@2777.96,1597.04 ccw(c2769.43,1605.58) 2781.5,1605.58 ccw(c2793.57,1605.58) v2@2785.03,1597.04
  Bottom Layer w10: v2(2123.03,2696.85) 2140.75,2714.57 U4.40@2140.75,2757.87 ; v2@2123.03,2701.85 ccw(c2123.03,2713.92) 2131.57,2705.39 ccw(c2140.1,2696.85) v2@2128.03,2696.85
P3_6: U4.41
P3_7: U4.42
P4_3: U4.46
P4_4: U4.47
P4_6: U4.49
P5_1: U4.10
P5_6: R25.1 U4.53 U13.13 | length 345.5
  Top Layer w5: v2(1685.43,2843.9) U13.13@1744.09,2843.9 ; v2@1690.74,2838.59 cw(c1703.54,2825.79) 1703.54,2843.9 cw(c1703.54,2862) v2@1690.74,2849.2
  Top Layer w10: U13.13@1744.09,2843.9 1747.64,2847.44 v2(1817.91,2847.44) ; v2@1814.38,2843.91 ccw(c1805.84,2835.37) 1805.84,2847.44 ccw(c1805.84,2859.51) v2@1814.38,2850.98
  Bottom Layer w5: R25.1@1679.13,2799.21 1685.43,2805.51 v2(1685.43,2843.9) ; v2@1680.13,2838.59 cw(c1667.33,2825.79) 1685.43,2825.79 cw(c1703.54,2825.79) v2@1690.74,2838.59
  Bottom Layer w10: v2(1817.91,2847.44) 1828.74,2858.27 U4.53@1882.87,2858.27 ; v2@1817.91,2852.44 ccw(c1817.91,2864.51) 1826.45,2855.98 ccw(c1834.98,2847.44) v2@1822.91,2847.44
P5_7: R24.1 U4.54 U13.14 | length 383
  Top Layer w5: v2(1686.22,2893.9) U13.14@1744.09,2893.9 ; v2@1691.52,2888.59 cw(c1704.33,2875.79) 1704.33,2893.9 cw(c1704.33,2912) v2@1691.52,2899.2
  Top Layer w10: U13.14@1744.09,2893.9 1746.26,2891.73 v2(1812.01,2891.73) ; v2@1808.47,2888.2 ccw(c1799.94,2879.66) 1799.94,2891.73 ccw(c1799.94,2903.8) v2@1808.47,2895.27
  Bottom Layer w5: 1679.13,2904.97 ccw(c1697.29,2904.97) v2@1684.45,2892.13 ; R24.1@1679.13,2917.04 ccw(c1709.36,2917.04) v2@1687.99,2895.67 ; R24.1@1679.13,2929.11 ccw(c1721.43,2929.11) v2@1691.52,2899.2 ; R24.1@1679.13,2933.07 1679.13,2900.98 v2(1686.22,2893.9)
  Bottom Layer w10: v2@1812.01,2886.73 cw(c1812.01,2874.66) 1820.54,2883.2 cw(c1829.08,2891.73) v2@1817.01,2891.73 ; v2(1812.01,2891.73) 1825.79,2877.95 U4.54@1882.87,2877.95
P6_0: U4.97
P6_1: U4.98
P6_2: U4.99
P6_4: R51.1 R54.2 U4.1
P6_5: U4.2
P6_6: U4.3
P6_7: U4.4
P7_5: U4.6
P7_6: U4.7
P7_7: U4.8
P8_2: U4.59
P8_3: U4.60
P8_4: U4.61
P8_5: U4.65
P8_6: U4.66
P8_7: U4.67
P9_4: U4.72
P9_5: U4.73
P9_6: U4.74
P9_7: U4.75
P10_1: U4.77
P10_2: U4.78
P10_3: U4.79
P10_4: R42.2 U4.80 | length 351.1
  Top Layer w10: v2@2003.94,3416.34 2019.69,3432.09 R42.2@2019.69,3657.48 ; v2@2009.92,3414.37 cw(c2029.12,3414.37) 2015.54,3427.95
  Bottom Layer w10: v2@2004.92,3409.37 cw(c2004.92,3397.3) 2013.46,3405.83 cw(c2021.99,3414.37) v2@2009.92,3414.37 ; v2(2004.92,3414.37) 2022.64,3396.65 U4.80@2022.64,3352.36
P10_5: R41.2 U4.81 | length 358.2
  Top Layer w10: v2@1956.11,3630.5 ccw(c1947.57,3639.04) 1959.65,3639.04 ccw(c1971.72,3639.04) v2@1963.18,3630.5 ; v2(1959.65,3626.97) R41.2@1959.65,3658.46
  Bottom Layer w10: v2@1956.11,3623.43 cw(c1947.57,3614.9) 1959.65,3614.9 cw(c1971.72,3614.9) v2@1963.18,3623.43 ; v2(1959.65,3626.97) 1959.65,3592.52 1993.11,3559.06 1993.11,3470.47 2041.34,3422.24 U4.81@2041.34,3372.05
P10_6: U4.82
P10_7: R113.2 U4.83 U28.12 U29.12
P11_0: U4.84
P11_1: U4.85
P11_2: U4.86
P\G\O\O\D\: B6.2 U10.7 | length 98.4
  Top Layer w10: B6.2@1744.09,-182.09 1801.18,-239.17 U10.7@1817.91,-239.17 ; U10.7@1817.91,-238.19 U10.7@1818.9,-238.19
PLUSE: Q9.1 U4.32 U8.28 | length 2149.3
  Top Layer w10: v2@1893.12,3636.41 ccw(c1882.21,3647.32) 1897.64,3647.32 ; v2@1897.64,3636.81 1897.64,3667.33 Q9.1@1878.94,3686.03 1921.26,3728.35 1921.26,4485.24 1945.87,4509.84 2019.65,4509.84 U8.28@2032.44,4497.05
  DATA w10: v2@1893.12,3629.34 cw(c1884.58,3620.8) 1896.65,3620.8 cw(c1908.72,3620.8) v2@1900.19,3629.34 ; v2(1896.65,3632.87) 1896.65,3149.61 2114.17,2932.09 2180.12,2932.09 v2(2298.23,2813.98) ; v2@2293.23,2813.98 ccw(c2281.16,2813.98) 2289.69,2822.51 ccw(c2298.23,2831.05) v2@2298.23,2818.98
  Bottom Layer w10: v2@2294.69,2810.44 cw(c2286.16,2801.91) 2298.23,2801.91 cw(c2310.3,2801.91) v2@2301.76,2810.44 ; U4.32@2298.23,2757.87 v2(2298.23,2813.98)
PWRKEY: Q7.3 U5.14 | length 1197.3
  Top Layer w10: v2@1953.74,1488.11 cw(c1953.74,1476.04) 1962.28,1484.57 cw(c1970.81,1493.11) v2@1958.74,1493.11 ; v2(1953.74,1493.11) 2029.53,1417.32 U5.14@2029.53,1381.89 ; v2@2094.89,2364.76 ccw(c2086.35,2373.29) 2098.43,2373.29 ccw(c2110.5,2373.29) v2@2101.96,2364.76 ; v2(2098.43,2361.22) Q7.3@2098.43,2413.39
  DATA w10: v2@1950.2,1496.65 ccw(c1941.67,1505.18) 1953.74,1505.18 ccw(c1965.81,1505.18) v2@1957.28,1496.65 ; v2(1953.74,1493.11) 1953.74,2210.63 v2@2100.39,2357.28 ; 2085.71,2342.6 ccw(c2067.1,2361.22) v2@2093.43,2361.22
REF+: U4.9
RESET: J5.15 R79.2 R80.1 R85.2 U20.2 | length 1994.2
  Top Layer w10: v2(680.03,3048.31) 680.2,3048.31 721.89,3090 U20.2@730.29,3090 795.25,3090 R79.2@800.17,3085.08 R80.1@800.17,3172.19 R85.2@800.17,3259.29 ; v2@680.03,3053.31 ccw(c680.03,3065.8) 688.86,3056.97 ; v2@685.03,3048.31 cw(c696.69,3048.31) 688.45,3056.56
  ADDR w10: J5.15@-717.52,2667.32 -672.24,2712.6 -672.24,2855.18 -468.37,3059.06 526.57,3059.06 538.28,3047.35 679.07,3047.35 v2(680.03,3048.31) v2@680.03,3047.33 ; 665.64,3047.35 ccw(c665.64,3062.7) v2@676.5,3051.85
RI: Q4.1 U4.30 U5.23 | length 3586.6
  Top Layer w10: v2@2285.83,234.83 ccw(c2277.3,243.37) 2289.37,243.37 ccw(c2301.44,243.37) v2@2292.91,234.83 ; v2(2289.37,231.3) U5.23@2289.37,299.21
  ADDR w10: v2@1931.02,1123.03 ccw(c1918.95,1123.03) 1927.49,1131.57 ccw(c1936.02,1140.1) v2@1936.02,1128.03 ; v2(1936.02,1123.03) 1907.48,1151.57 1907.48,2450.79 2033.46,2576.77 2203.74,2576.77 v2(2266.73,2639.76) ; v2@2261.73,2639.76 cw(c2249.66,2639.76) 2258.2,2631.23 cw(c2266.73,2622.69) v2@2266.73,2634.76
  Bottom Layer w10: v2@1932.49,1119.49 ccw(c1923.95,1110.96) 1923.95,1123.03 ccw(c1923.95,1135.1) v2@1932.49,1126.57 ; v2(1936.02,1123.03) Q4.1@1907.48,1123.03 1907.48,1029.53 1777.56,899.61 1777.56,302.17 1898.72,181 2239.07,181 v2(2289.37,231.3) ; v2(2266.73,2639.76) 2266.73,2641.73 2337.6,2712.6 U4.30@2337.6,2757.87 ; v2@2271.73,2639.76 cw(c2288.56,2639.76) 2276.66,2651.66 ; v2@2284.37,231.3 cw(c2272.3,231.3) 2280.83,222.76 cw(c2289.37,214.23) v2@2289.37,226.3
RS_N: C90.1 J1.29 R100.1 R101.2 R103.1 | length 1915.8
  DATA w12: J1.29@8.86,-595.47 171.75,-432.58 171.75,426.67 v2@392.72,647.64 ; 380.15,635.07 cw(c393.7,621.52) v2@393.7,640.69
  Bottom Layer w12: J1.29@-3.94,-600.39 30.51,-565.94 C90.1@213.58,-565.94 ; v2(393.7,644.69) R103.1@393.7,681.1 432.09,719.49 432.09,804.13 392.72,843.5 392.72,877.95 R100.1@393.7,878.94